# Altium PCB 10515.0462_全联供主板_V1.0.PcbDoc (part 2 of 5)
Units mm, origin at the board's own origin, x right, y up, seen from the top; angles counter-clockwise.
Board outline 141 x 198 mm, 2 copper layers (Top Layer, Bottom Layer); 179 components, 149 nets, 591 pads, 450 vias.
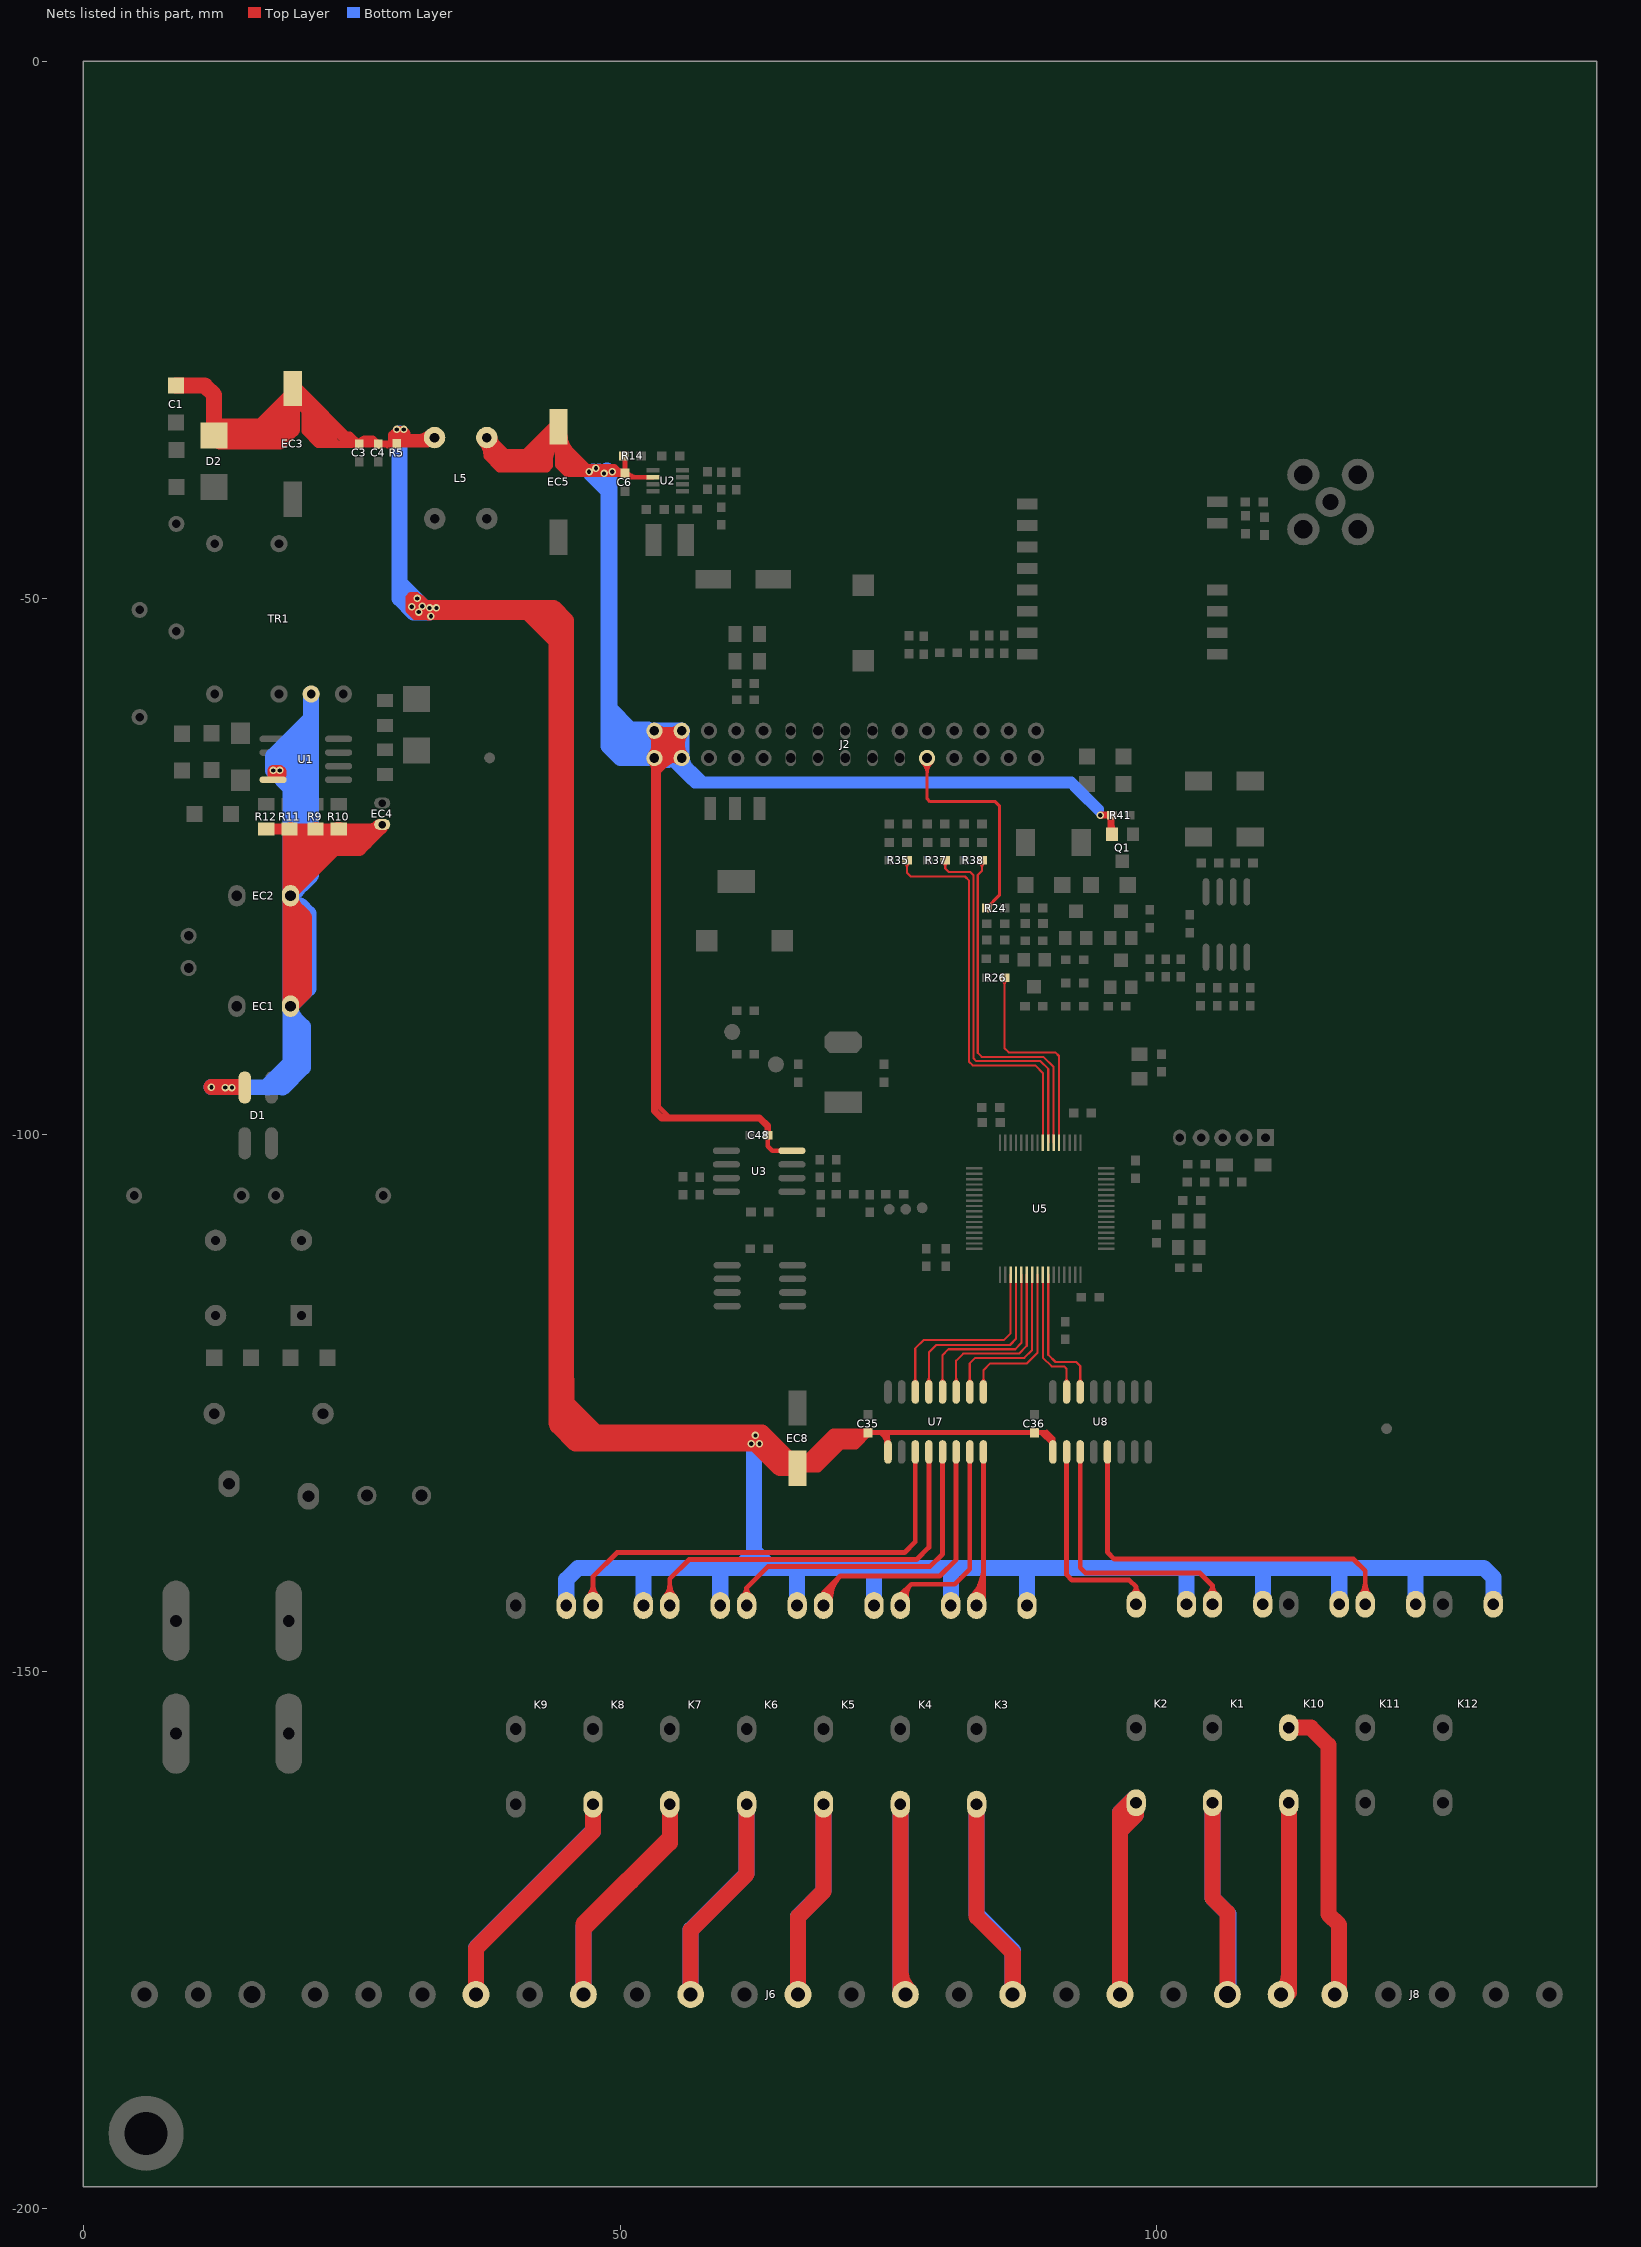
[diagram p2: the nets of this part, all layers, seen from the top]

## Via types
v1: diameter 0.7, hole 0.4, Top Layer to Bottom Layer, tented both sides, 450 vias

## Nets (pads, with @x,y where several pads share a name; then routed paths per layer and width w, separated by ;. In a path a pad name is that pad's centre, name@x,y a point inside that pad or via, vN(x,y) a via of type N, cw(c..) or ccw(c..) an arc to the next point about the centre after c; other vN are vias at no path point) (continued)
+24V: C6.1 C48.2 EC5.1 J2.1 J2.2 J2.3 J2.4 L5.4 Q1.2 R14.1 R41.2 U2.2 U3.8 | length 555.3
  Top Layer w0.45: R14.1@50.251,-36.893 cw(c49.76,-37.385) 50.455,-37.385 ; C6.1@50.327,-38.224 ccw(c50.017,-37.915) 50.455,-37.915 ccw(c50.893,-37.915) C6.1@50.583,-38.224 ; R14.1@50.455,-36.779 C6.1@50.455,-38.391 50.819,-38.755 U2.2@53.079,-38.755 ; C6.1@50.583,-38.301 ccw(c51.681,-37.203) 51.681,-38.755 ; J2.1@52.981,-65.398 cw(c52.551,-66.348) 53.594,-66.348 ; J2.1@53.166,-64.988 cw(c52.866,-65.651) 53.594,-65.651 ; J2.1@53.594,-65.301 53.594,-66.294 ; 54.095,-65.678 cw(c55.742,-67.325) J2.3@55.742,-64.995 ; 54.425,-65.347 cw(c54.925,-65.848) J2.3@55.39,-65.314 ; 54.61,-98.425 53.594,-97.409 53.594,-66.294 ; 54.766,-65.006 cw(c55.243,-65.483) J2.3@55.685,-64.974 ; 54.863,-64.91 cw(c55.742,-65.788) J2.3@55.742,-64.545 ; 54.864,-64.908 53.594,-66.178 53.594,-66.294 ; C48.2@63.634,-100.166 cw(c63.345,-100.455) 63.754,-100.455 ; 63.754,-100.496 cw(c64.221,-100.496) C48.2@63.891,-100.166 ; C48.2@63.754,-100.203 63.754,-101.07 64.18,-101.496 U3.8@66.011,-101.496
  Top Layer w0.65: L5.4@37.115,-35.529 cw(c35.962,-36.682) 37.592,-36.682 cw(c39.222,-36.682) L5.4@38.069,-35.529 ; L5.4@37.356,-35.684 cw(c36.887,-36.94) 38.227,-36.94 ; L5.4@37.583,-35.075 cw(c37.237,-36.003) 38.227,-36.003 ; L5.4@37.592,-35.727 cw(c37.592,-38.276) 39.395,-36.474 ; 38.227,-36.195 38.989,-36.957 41.021,-36.957 ; L5.4@38.256,-35.172 ccw(c39.958,-35.48) 38.735,-36.703 ; L5.4@38.267,-35.052 ccw(c38.977,-35.052) 38.475,-35.554 ; 41.656,-37.592 43.434,-35.814 43.434,-35.687 ; 41.656,-36.957 41.656,-36.656 EC5.1@44.276,-34.036 ; 41.783,-36.957 EC5.1@43.434,-35.306 ; 41.878,-36.354 cw(c44.276,-38.753) EC5.1@44.276,-35.361 ; 41.903,-35.694 cw(c44.276,-38.067) EC5.1@44.276,-34.711 ; 42.014,-36.298 cw(c44.276,-38.56) EC5.1@44.276,-35.361 ; 42.291,-36.957 41.021,-36.957 ; 42.745,-35.995 cw(c44.276,-37.527) EC5.1@44.276,-35.361 ; 42.987,-35.245 cw(c44.276,-36.534) EC5.1@44.276,-34.711 ; 43.013,-34.584 cw(c44.276,-35.848) EC5.1@44.276,-34.061 ; 43.124,-35.188 cw(c44.276,-36.341) EC5.1@44.276,-34.711 ; 43.284,-35.964 ccw(c42.155,-34.836) EC5.1@43.751,-34.836 ; 43.434,-37.236 cw(c45.7,-37.236) EC5.1@44.544,-35.288 ; 43.434,-37.084 42.545,-37.973 ; 43.434,-36.449 42.291,-37.592 38.989,-37.592 38.227,-36.83 38.227,-35.687 L5.4@37.592,-35.052 ; 43.434,-36.095 cw(c45.023,-36.095) EC5.1@44.212,-34.728 ; 43.502,-35.746 ccw(c42.847,-35.091) EC5.1@43.759,-34.928 ; EC5.1@43.561,-34.036 41.148,-36.449 39.37,-36.449 37.973,-35.052 L5.4@37.592,-35.052 ; EC5.1@44.276,-34.972 EC5.1@44.276,-34.036 ; EC5.1@44.647,-35.207 ccw(c45.543,-36.103) 44.276,-36.103 ccw(c43.009,-36.103) 43.905,-35.207 cw(c41.975,-37.137) 44.704,-37.137 ; EC5.1@44.801,-34.836 ccw(c46.783,-34.836) 45.382,-36.238 ; 46.137,-37.846 cw(c46.137,-39.207) v1@47.099,-38.245 ; 46.554,-38.391 ccw(c46.554,-36.722) v1@47.734,-37.902 ; 46.661,-38.391 ccw(c46.661,-37.771) v1@47.099,-38.209 ; 46.895,-37.751 cw(c46.418,-38.227) v1@47.092,-38.227 ; v1@47.135,-38.245 cw(c48.097,-39.207) 48.097,-37.846 ; v1@47.135,-38.209 ccw(c47.573,-37.771) 47.573,-38.391 ; v1@47.138,-38.241 cw(c47.752,-38.667) v1(47.752,-37.92) 47.064,-37.92 EC5.1@44.704,-35.56 ; 47.138,-37.846 cw(c47.138,-39.766) v1@48.496,-38.408 ; v1@47.775,-37.91 ccw(c48.514,-37.583) v1(48.514,-38.391) ; 48.296,-37.846 cw(c48.296,-39.207) v1@49.258,-38.245 ; v1@48.536,-38.403 cw(c49.493,-38.947) 49.493,-37.846 ; v1@48.82,-38.391 ccw(c48.82,-37.771) v1@49.258,-38.209 ; v1@49.294,-38.209 ccw(c49.732,-37.771) 49.732,-38.391 ; 49.721,-38.074 ccw(c50.256,-37.538) C6.1@50.436,-38.274 ; 50.038,-38.391 49.493,-37.846 ; C6.1@50.455,-38.391 v1(48.514,-38.391) ; J2.1@52.893,-65.217 cw(c52.147,-65.963) 53.202,-65.963 cw(c54.257,-65.963) 53.511,-65.217 cw(c54.257,-65.963) 54.257,-64.908 cw(c54.257,-63.853) 53.511,-64.599 cw(c54.257,-63.853) 53.202,-63.853 cw(c52.147,-63.853) J2.1@52.893,-64.599 ; J2.2@52.893,-62.677 cw(c52.147,-63.423) 53.202,-63.423 cw(c54.257,-63.423) 53.511,-62.677 cw(c54.284,-63.451) 54.284,-62.357 ; J2.1@52.99,-64.526 ccw(c52.42,-63.5) 53.594,-63.5 ; J2.1@53.021,-64.796 cw(c54.442,-65.683) 54.442,-64.008 ; J2.2@53.048,-62.777 cw(c52.752,-63.566) 53.594,-63.566 ; J2.2@53.05,-62.518 ccw(c54.185,-61.396) 54.185,-62.992 ; J2.1@53.089,-65.089 ccw(c53.547,-64.355) 54.159,-64.967 ; J2.2@53.213,-62.357 55.73,-62.357 J2.4@55.742,-62.368 ; J2.1@53.433,-64.538 ccw(c53.992,-63.644) 54.737,-64.389 ; J2.2@53.511,-62.059 ccw(c54.229,-61.341) 54.229,-62.357 ; J2.2@53.513,-62.061 ccw(c55.742,-59.857) J2.4@55.742,-62.992 ; J2.1@53.572,-65.14 cw(c55.615,-66.416) 55.615,-64.008 53.594,-64.008 ; J2.1@53.594,-65.532 54.737,-64.389 ; J2.1@53.594,-65.301 53.594,-64.008 ; J2.1@53.594,-65.101 cw(c54.737,-65.662) 54.737,-64.389 ; 54.638,-64.008 cw(c54.638,-65.451) J2.3@55.933,-64.814 ; 54.659,-62.357 cw(c54.659,-63.451) 55.433,-62.677 cw(c54.687,-63.423) 55.742,-63.423 cw(c56.797,-63.423) J2.4@56.051,-62.677 ; 54.714,-62.357 ccw(c54.714,-61.341) J2.4@55.433,-62.059 ; 55,-62.992 ccw(c55,-61.903) J2.4@55.922,-62.482 ; J2.3@55.305,-64.93 ccw(c54.737,-64.958) 54.737,-64.389 ; J2.3@55.35,-65.101 ccw(c53.594,-65.964) 53.594,-64.008 ; J2.4@55.372,-62.136 cw(c53.826,-61.167) 53.826,-62.992 J2.4@55.742,-62.992 ; J2.3@55.433,-65.217 ccw(c54.687,-65.963) 54.687,-64.908 ccw(c54.687,-63.853) 55.433,-64.599 ccw(c54.687,-63.853) 55.742,-63.853 ccw(c56.797,-63.853) J2.3@56.051,-64.599 ; J2.3@55.742,-64.389 54.737,-64.389 ; 55.742,-63.5 53.594,-63.5 ; C48.2@63.762,-100.164 63.762,-99.195 62.992,-98.425 54.61,-98.425 53.848,-98.425 53.202,-97.779 J2.1@53.202,-64.908 ; v1(94.742,-70.231) R41.2@95.821,-70.231 ; 95.758,-71.152 ccw(c96.633,-71.152) Q1.2@96.014,-71.771 ; R41.2@95.758,-70.231 95.758,-71.927 Q1.2@95.84,-72.009 ; L5.4@37.592,-35.052 37.592,-36.83 38.735,-37.973 42.545,-37.973 ; 41.021,-36.957 41.275,-36.957 44.196,-34.036 EC5.1@44.276,-34.036 ; 42.545,-37.973 43.18,-37.973 43.434,-37.719 43.434,-35.687 ; 43.434,-35.687 43.434,-34.878 EC5.1@44.276,-34.036 ; EC5.1@44.276,-35.361 ccw(c44.276,-36.3) 43.612,-35.636 cw(c44.276,-36.3) EC5.1@44.276,-35.361 ; EC5.1@44.276,-34.036 44.276,-35.132 EC5.1@44.704,-35.56 ; EC5.1@44.276,-34.036 44.276,-37.672 44.995,-38.391 v1(48.514,-38.391) ; EC5.1@44.704,-35.56 44.704,-37.338 45.212,-37.846 49.493,-37.846 ; J2.1@53.202,-64.908 53.721,-64.389 54.737,-64.389 ; J2.1@53.202,-64.908 J2.3@55.742,-64.908 J2.4@55.742,-62.368 ; J2.1@53.202,-64.908 J2.2@53.202,-62.368 53.594,-62.761 53.594,-63.5 ; 53.594,-64.008 cw(c53.128,-64.008) 53.166,-64.473 ccw(c53.128,-64.008) 53.594,-64.008 ; 53.594,-64.008 53.594,-63.5 ; J2.4@55.742,-62.992 J2.4@55.742,-62.368
  Top Layer w0.8: EC5.1@43.958,-35.154 cw(c43.19,-35.922) 44.276,-35.922 cw(c45.362,-35.922) EC5.1@44.594,-35.154 ; EC5.1@44.276,-34.036 44.276,-36.148 45.974,-37.846
  Bottom Layer w0.65: v1@47.117,-38.202 ccw(c47.117,-37.351) v1@47.719,-37.953 ; v1@47.135,-38.209 ccw(c47.573,-37.771) 47.573,-38.391 ; v1@47.775,-37.91 ccw(c48.514,-37.583) v1(48.514,-38.391) ; v1@48.491,-38.401 ccw(c47.752,-38.728) v1(47.752,-37.92) ; v1@48.496,-38.408 cw(c47.227,-39.678) 49.022,-39.678 ; v1@48.515,-38.416 cw(c48.566,-39.355) 49.231,-38.69 ; v1@48.715,-38.174 ccw(c49.007,-37.882) v1@49.261,-38.207 ; 49.022,-38.901 cw(c49.95,-38.901) v1@49.294,-38.245 ; 50.893,-61.849 cw(c50.893,-64.677) 52.893,-62.677 ccw(c52.147,-63.423) 52.147,-62.368 ccw(c52.147,-61.313) 52.893,-62.059 cw(c50.948,-60.115) 50.948,-62.865 ; 52.462,-61.849 cw(c52.462,-63.108) J2.2@53.353,-62.218 ; 52.517,-62.865 ccw(c52.517,-61.684) J2.2@53.353,-62.519 ; J2.2@52.682,-61.849 49.784,-61.849 49.022,-61.087 49.022,-38.481 48.461,-37.92 v1(47.752,-37.92) ; J2.1@52.893,-64.599 ccw(c52.147,-63.853) 53.202,-63.853 ccw(c54.257,-63.853) J2.1@53.511,-64.599 ; J2.1@53.202,-64.908 53.202,-63.489 52.578,-62.865 49.403,-62.865 48.514,-61.976 48.514,-61.468 ; J2.2@53.202,-62.368 49.414,-62.368 48.514,-61.468 ; 54.483,-65.024 55.742,-66.283 ; J2.3@55.742,-65.345 cw(c55.742,-66.4) 56.488,-65.654 cw(c57.234,-64.908) J2.3@56.179,-64.908 ; 55.88,-65.659 57.15,-66.929 ; J2.3@56.179,-64.925 ccw(c58.453,-65.013) 56.844,-66.623 ; 91.186,-67.437 89.871,-67.437 89.363,-66.929 ; v1(47.752,-37.92) 47.281,-38.391 v1(48.514,-38.391) ; 48.514,-61.468 v1(48.514,-38.391) ; 55.742,-66.283 56.388,-66.929 ; 55.742,-66.283 J2.3@55.742,-64.908 57.762,-66.929 ; 55.742,-65.963 cw(c56.797,-65.963) 56.051,-65.217 ccw(c56.797,-65.963) 55.742,-65.963 ; 55.742,-65.963 ccw(c54.687,-65.963) 55.433,-65.217 cw(c54.687,-65.963) 55.742,-65.963 ; 56.388,-66.929 57.15,-66.929 ; 56.388,-66.929 56.896,-67.437 58.42,-67.437 ; 57.15,-66.929 57.912,-66.929 ; 57.762,-66.929 57.912,-66.929 ; 57.762,-66.929 89.363,-66.929 ; 57.912,-66.929 58.42,-67.437 ; 58.42,-67.437 91.948,-67.437 ; 89.363,-66.929 92.075,-66.929 92.583,-67.437 ; 91.948,-67.437 92.583,-67.437 ; 91.948,-67.437 92.329,-67.818 v1(94.742,-70.231) 94.742,-69.596 92.583,-67.437
  Bottom Layer w1.5: 47.469,-38.202 ccw(c47.924,-37.748) 47.924,-38.391 ; 47.58,-38.391 ccw(c47.58,-37.748) 48.035,-38.202 ; 48.797,-38.108 cw(c48.253,-38.652) 49.022,-38.652 ; 48.921,-61.875 48.921,-63.78 49.593,-64.453 ; 49.022,-61.976 49.022,-60.325 ; 49.022,-40.132 47.281,-38.391 48.932,-38.391 49.022,-38.481 49.022,-60.325 ; 49.059,-63.489 53.202,-63.489 ; 49.403,-62.865 52.313,-62.865 ccw(c52.313,-61.846) J2.2@53.192,-62.362 ; 49.746,-63.489 cw(c49.746,-68.364) J2.1@53.193,-64.917 ; 50.468,-63.489 ccw(c50.468,-59.634) 53.193,-62.36 cw(c51.974,-61.141) 51.974,-62.865 ; 50.927,-62.23 49.022,-60.325 ; 52.006,-64.453 49.593,-64.453 ; J2.1@53.195,-64.899 ccw(c51.354,-62.369) 54.483,-62.369 ccw(c57.644,-62.369) J2.3@55.749,-64.899 ; J2.2@53.194,-62.378 cw(c50.963,-65.1) 54.483,-65.1 ; J2.2@53.202,-62.495 J2.1@53.202,-64.908 ; J2.2@53.202,-62.368 54.483,-62.368 ; 54.483,-65.09 cw(c58.02,-65.09) J2.4@55.75,-62.378 ; 54.483,-64.781 54.483,-62.368 ; 49.593,-64.453 50.049,-64.908 J2.1@53.202,-64.908 ; J2.1@53.193,-64.917 ccw(c52.072,-66.038) 52.072,-64.453 cw(c52.072,-66.038) J2.1@53.193,-64.917 ; J2.1@53.202,-64.908 J2.3@55.742,-64.908 J2.4@55.742,-62.368 54.483,-62.368
  other v1: 47.117,-38.227 49.276,-38.227
+24V1: C1.2 C3.1 C4.1 C35.2 C36.2 D2.1 EC3.1 EC8.1 K1.3 K2.3 K3.3 K4.3 K5.3 K6.3 K7.3 K8.3 K9.3 K10.3 K11.3 K12.3 L5.1 R5.2 U7.9 U8.9 | length 607.5
  Top Layer w0.45: v1(30.607,-50.8) 31.623,-51.816 33.401,-51.816 ; v1@30.812,-51.005 ccw(c31.242,-50.575) v1@31.242,-51.183 ; 31.115,-49.657 30.48,-49.657 30.226,-49.911 30.226,-51.181 30.861,-51.816 33.401,-51.816 ; v1@31.367,-51.308 ccw(c31.975,-51.308) 31.545,-51.738 ; 44.704,-52.959 43.561,-51.816 33.401,-51.816 ; C35.2@73.109,-127.748 74.303,-127.748 ; C35.2@73.237,-127.876 cw(c73.547,-128.186) 73.547,-127.748 cw(c73.547,-127.31) C35.2@73.237,-127.62 ; 74.473,-127.917 cw(c73.588,-128.801) U7.9@74.839,-128.801 ; U7.9@74.964,-129.551 74.964,-128.408 74.303,-127.748 ; U7.9@74.964,-129.032 74.93,-128.998 74.93,-127.748 ; C36.2@88.475,-127.876 ccw(c88.165,-128.186) 88.165,-127.748 ccw(c88.165,-127.31) C36.2@88.475,-127.62 ; 89.75,-127.7 cw(c88.649,-128.801) U8.9@90.206,-128.801 ; U8.9@90.32,-128.801 89.267,-127.748 89.027,-127.748 ; U8.9@90.331,-129.678 U8.9@90.331,-129.551 90.331,-128.281 89.797,-127.748 89.027,-127.748 ; 74.303,-127.748 74.93,-127.748 ; 74.93,-127.748 C36.2@88.603,-127.748 89.027,-127.748 ; C36.2@88.734,-127.873 cw(c89.027,-128.153) 89.027,-127.748 ; C36.2@88.734,-127.873 cw(c89.027,-128.153) 89.027,-127.748 ; C36.2@88.734,-127.873 cw(c89.027,-128.153) 89.027,-127.748 ; C36.2@88.734,-127.623 ccw(c89.027,-127.343) 89.027,-127.748 ; C36.2@88.734,-127.623 ccw(c89.027,-127.343) 89.027,-127.748 ; C36.2@88.734,-127.623 ccw(c89.027,-127.343) 89.027,-127.748 ; 89.041,-127.748 cw(c89.041,-127.31) 88.731,-127.62 ccw(c89.041,-127.31) 89.041,-127.748 ; 89.041,-127.748 ccw(c89.041,-128.186) 88.731,-127.876 cw(c89.041,-128.186) 89.041,-127.748
  Top Layer w0.65: 14.097,-33.655 16.336,-33.655 EC3.1@19.511,-30.48 19.511,-31.449 23.743,-35.681 24.13,-35.681 ; EC3.1@19.939,-30.988 24.13,-35.179 25.221,-35.179 ; EC3.1@19.939,-30.226 25.375,-35.662 25.458,-35.662 C3.1@25.581,-35.539 ; 20.637,-32.575 20.637,-33.401 ; 21.272,-34.036 20.637,-34.036 ; 21.971,-33.147 23.622,-34.798 24.84,-34.798 C3.1@25.704,-35.662 ; 22.225,-35.681 22.225,-35.623 20.637,-34.036 ; 22.918,-35.681 20.637,-33.401 ; 24.434,-35.179 cw(c24.434,-36.893) 25.646,-35.681 24.13,-35.681 ; C3.1@25.704,-35.542 ccw(c25.704,-35.006) C3.1@26.083,-35.385 ; C3.1@25.762,-35.681 cw(c26.974,-36.893) 26.974,-35.179 ; C3.1@25.785,-35.632 cw(c26.289,-35.686) 26.289,-35.179 ; C4.1@27.422,-35.678 ccw(c26.289,-36.714) 26.289,-35.179 ; C4.1@27.482,-35.662 26.999,-35.179 26.289,-35.179 ; 28.359,-35.75 cw(c28.824,-36.215) R5.2@29.167,-35.655 ; 28.718,-34.782 cw(c29.845,-35.908) v1@29.845,-34.315 ; 28.893,-34.607 cw(c29.644,-35.359) v1@29.84,-34.315 ; R5.2@29.152,-35.528 ccw(c28.094,-34.469) v1@29.591,-34.469 ; v1@29.192,-34.308 cw(c28.23,-35.27) R5.2@29.591,-35.27 ; R5.2@29.21,-35.767 cw(c31.167,-35.767) v1@29.862,-34.309 ; R5.2@29.21,-35.504 ccw(c29.21,-34.449) 29.956,-35.195 ; v1@29.215,-34.315 cw(c29.411,-35.359) 30.162,-34.607 ; R5.2@29.233,-35.507 cw(c29.441,-34.798) 28.702,-34.798 ; 29.591,-34.964 cw(c30.519,-34.964) v1@29.863,-34.308 ; R5.2@29.616,-35.662 ccw(c29.616,-31.951) 32.24,-34.575 cw(c31.087,-33.422) 31.087,-35.052 cw(c31.087,-36.682) L5.1@32.24,-35.529 ; v1@29.827,-34.308 cw(c29.171,-34.964) 30.099,-34.964 ; 31.185,-35.662 ccw(c31.185,-33.52) L5.1@32.699,-35.034 ; 20.637,-34.036 20.637,-34.48 21.838,-35.681 24.13,-35.681 ; 20.637,-34.036 20.637,-33.401 ; C3.1@25.704,-35.662 28.448,-35.662 ; C3.1@25.704,-35.662 25.806,-35.662 26.289,-35.179 ; 28.448,-35.662 28.702,-35.408 28.702,-34.798 ; 28.448,-35.662 32.107,-35.662 L5.1@32.717,-35.052 30.099,-35.052 ; 28.702,-34.798 v1(29.21,-34.29) ; R5.2@29.21,-35.623 29.591,-35.242 29.591,-34.29 v1(29.21,-34.29) ; R5.2@29.21,-35.623 v1(29.21,-34.29) ; R5.2@29.21,-35.623 29.527,-35.623 30.099,-35.052 ; v1(29.21,-34.29) v1(29.845,-34.29) 30.099,-34.544 30.099,-35.052
  Top Layer w0.8: 44.196,-123.63 44.196,-127.127 45.339,-128.27 ; 45.001,-126.916 45.833,-127.748 ; 72.263,-128.143 cw(c73.109,-128.989) C35.2@73.109,-127.793 ; 72.433,-127.973 cw(c72.985,-128.526) C35.2@73.108,-127.754 ; EC8.1@66.541,-131.059 69.852,-127.748 72.658,-127.748 ; EC8.1@66.541,-131.059 67.442,-131.059 70.231,-128.27 72.136,-128.27 72.658,-127.748 ; EC8.1@66.541,-131.059 68.458,-131.059 70.612,-128.905 71.952,-128.905 C35.2@73.109,-127.748 72.658,-127.748
  Top Layer w1.5: C1.2@8.644,-30.212 11.311,-30.212 12.175,-31.076 D2.1@12.175,-34.861 ; D2.1@12.563,-35.179 cw(c15.295,-37.911) 15.295,-34.047 ; EC3.1@19.511,-31.496 16.96,-34.047 16.383,-34.047 ; 30.832,-50.321 ccw(c32.296,-48.857) v1@32.296,-50.927 ; v1@31.135,-50.312 31.75,-50.927 34.163,-50.927 41.402,-50.927 ; 32.074,-51.251 ccw(c32.258,-51.066) 32.258,-51.327 ; 44.196,-127.127 45.847,-128.778 62.611,-128.778 64.892,-131.059 EC8.1@66.541,-131.059 63.23,-127.748 46.355,-127.748 45.001,-126.394 45.001,-125.984 ; 44.983,-122.816 44.983,-52.095 43.815,-50.927 42.291,-50.927 ; 44.983,-53.467 42.443,-50.927 42.291,-50.927 ; 45.001,-126.916 45.001,-125.984 ; 45.001,-122.825 45.001,-124.968 ; 45.085,-127.889 44.069,-126.873 44.069,-53.975 41.402,-51.308 41.402,-50.927 ; 47.781,-127.748 45.001,-124.968 ; D2.1@12.175,-34.861 12.988,-34.047 16.383,-34.047 ; D2.1@12.175,-34.861 12.747,-35.433 16.637,-35.433 ; 16.383,-34.047 18.023,-34.047 19.431,-32.639 ; 16.637,-35.433 19.431,-32.639 ; 16.637,-35.433 18.288,-35.433 19.431,-34.29 19.431,-32.639 ; 41.402,-50.927 42.291,-50.927 ; 45.001,-125.984 45.001,-124.968 ; 30.959,-51.025 cw(c31.196,-51.262) 31.196,-50.927 ccw(c31.196,-51.262) 30.959,-51.025
  Bottom Layer w1.5: 29.464,-48.641 30.67,-49.847 v1@31.75,-50.927 ; 29.464,-34.671 29.464,-50.038 ; 30.832,-50.321 ccw(c32.296,-48.857) v1@32.296,-50.927 ; 30.959,-51.025 cw(c31.196,-51.262) 31.196,-50.927 ; v1@31.288,-50.927 cw(c31.288,-51.262) v1@31.525,-51.025 ; 32.074,-51.251 ccw(c32.258,-51.066) 32.258,-51.327 30.753,-51.327 29.464,-50.038 ; v1@32.639,-50.927 30.353,-50.927 29.464,-50.038 ; K9.3@44.992,-143.865 44.992,-141.444 46.09,-140.346 62.484,-140.346 ; K8.3@52.177,-143.865 52.177,-140.547 ; K7.3@59.337,-143.865 59.337,-140.353 ; 61.087,-140.346 62.484,-138.949 62.484,-138.811 ; 62.484,-139.446 62.484,-128.397 v1@62.611,-128.27 ; 63.881,-140.346 63.881,-140.208 62.484,-138.811 ; K6.3@66.496,-143.865 66.496,-140.515 ; K5.3@73.656,-143.865 73.656,-140.384 ; K4.3@80.816,-143.865 80.816,-140.483 ; K3.3@87.918,-143.865 87.918,-140.6 ; K2.3@102.777,-143.738 102.777,-140.6 ; K1.3@109.889,-143.738 109.889,-140.346 ; K10.3@117.008,-143.738 117.008,-140.353 ; K11.3@124.12,-143.738 124.12,-140.607 123.859,-140.346 ; K12.3@131.359,-143.738 131.359,-141.242 130.463,-140.346 123.859,-140.346 ; 62.484,-140.346 109.889,-140.346 ; 62.484,-140.346 62.484,-138.811 ; 109.889,-140.346 123.859,-140.346
  other v1: 62.23,-128.778 62.992,-128.778 62.611,-128.016 32.385,-51.689 31.242,-51.308 32.258,-50.927 32.893,-50.927 31.579,-50.756 31.115,-50.038
AD1: R35.1 U5.24 | length 39.1
  Top Layer w0.2: R35.1@76.518,-74.65 cw(c75.995,-75.173) 76.735,-75.173 cw(c77.475,-75.173) R35.1@76.952,-74.65 ; R35.1@76.735,-74.433 76.735,-75.584 77.089,-75.938 82.135,-75.938 82.524,-76.327 82.524,-93.218 82.848,-93.542 88.689,-93.542 89.393,-94.245 U5.24@89.393,-100.734
AD2: R38.1 U5.22 | length 33.9
  Top Layer w0.2: R38.1@83.503,-74.65 cw(c82.98,-75.173) 83.72,-75.173 cw(c84.46,-75.173) R38.1@83.937,-74.65 ; R38.1@83.72,-74.433 83.72,-75.411 83.324,-75.807 83.324,-92.329 83.324,-92.373 83.693,-92.742 89.44,-92.742 90.393,-93.695 U5.22@90.393,-100.734
AD3: R37.1 U5.23 | length 36.1
  Top Layer w0.2: R37.1@80.081,-74.65 cw(c79.558,-75.173) 80.298,-75.173 cw(c81.038,-75.173) R37.1@80.515,-74.65 ; R37.1@80.298,-74.433 80.298,-75.191 80.645,-75.538 82.65,-75.538 82.924,-75.812 82.924,-92.837 82.924,-92.881 83.185,-93.142 89.17,-93.142 89.893,-93.864 U5.23@89.893,-100.734
AD4: R26.1 U5.21 | length 21.2
  Top Layer w0.2: R26.1@85.606,-85.587 cw(c85.083,-86.11) 85.822,-86.11 cw(c86.562,-86.11) R26.1@86.039,-85.587 ; R26.1@85.822,-85.37 85.822,-89.356 85.822,-91.931 86.22,-92.329 90.551,-92.329 90.893,-92.671 U5.21@90.893,-100.734
AGND: D1.4 EC1.2 EC2.2 EC4.2 R9.1 R10.1 R11.1 R12.1 TR1.4 U1.7 | length 211.4
  Top Layer w0.45: U1.7@17.68,-66.936 U1.7@17.68,-66.675
  Top Layer w1: R12.1@17.052,-71.512 R11.1@19.211,-71.512 ; U1.7@17.68,-66.675 v1(17.68,-66.058) v1(18.306,-66.058) 18.415,-66.167 18.415,-66.421 ; R11.1@19.298,-71.599 R11.1@19.211,-71.512 ; 26.6,-71.512 ccw(c26.6,-70.102) EC4.2@27.597,-71.099 ; EC4.2@27.847,-71.099 27.434,-71.512 R10.1@23.783,-71.512 R9.1@21.624,-71.512 R11.1@19.211,-71.512
  Top Layer w1.5: v1(11.939,-95.57) D1.4@14.709,-95.57 ; EC2.2@19.298,-78.486 20.574,-79.762 20.574,-86.746 EC1.2@19.298,-88.022 EC2.2@19.298,-77.735 ; R11.1@19.298,-71.599 EC2.2@19.298,-77.735 ; EC2.2@19.348,-77.935 ccw(c20.798,-77.935) 19.773,-78.961 ; 20.644,-72.714 26.232,-72.714 ; 20.828,-74.168 22.098,-74.168 20.32,-72.39 20.32,-76.327 ; 21.082,-72.714 ccw(c21.082,-68.973) R10.1@23.727,-71.618 ; R9.1@21.68,-71.618 ccw(c24.325,-68.973) 24.325,-72.714 ; R10.1@23.831,-71.61 ccw(c26.232,-69.551) 26.232,-72.714 ; EC4.2@27.629,-71.317 26.232,-72.714 ; EC2.2@19.298,-77.735 19.298,-77.349 20.32,-76.327 ; 20.32,-76.327 23.368,-73.279 25.667,-73.279 26.232,-72.714
  Bottom Layer w1.5: v1(11.939,-95.57) 18.573,-95.6 ; 17.145,-95.6 17.145,-95.498 19.298,-93.345 ; EC2.2@19.263,-77.971 cw(c17.016,-80.217) 20.193,-80.217 ; EC2.2@19.263,-77.5 ccw(c17.135,-75.373) 20.144,-75.373 ; EC2.2@19.292,-77.486 ccw(c19.183,-76.532) 20.144,-76.532 ; EC1.2@19.298,-88.773 20.447,-89.922 20.447,-93.726 18.573,-95.6 ; EC1.2@19.348,-88.222 ccw(c20.798,-88.222) 19.773,-89.248 ; EC2.2@19.347,-77.542 cw(c20.502,-77.696) 20.502,-76.532 20.144,-76.532 ; 19.441,-66.058 20.144,-65.356 ; 20.193,-85.719 20.193,-78.631 20.955,-79.393 20.955,-86.365 EC1.2@19.298,-88.022 ; 21.226,-62.512 v1(17.68,-66.058) ; 21.226,-61.197 17.68,-64.743 v1(17.68,-66.058) ; TR1.4@21.226,-58.939 21.226,-64.273 ; v1(17.68,-66.058) 19.298,-66.058 EC2.2@19.298,-77.735 ; v1(17.68,-66.058) 19.298,-67.676 EC2.2@19.298,-77.735 ; 18.573,-95.6 19.298,-94.875 19.298,-93.345 ; 19.298,-93.345 EC1.2@19.298,-88.022 ; EC1.2@19.298,-88.022 EC2.2@19.298,-77.735 ; EC2.2@19.298,-77.735 21.226,-75.807 21.226,-64.273 ; 20.144,-76.532 20.144,-65.356 ; 20.144,-65.356 21.226,-64.273
  other v1: 13.208,-95.6 13.843,-95.6
CHANNEL1: J6.1 K1.1 | length 37.6
  Top Layer w1.5: K1.1@105.189,-161.925 105.189,-171.079 106.582,-172.472 J6.1@106.582,-180.097
  Bottom Layer w1.5: K1.1@105.189,-161.925 105.189,-171.102 106.68,-172.593 106.68,-179.999 J6.1@106.582,-180.097
CHANNEL2: J6.3 K2.1 | length 49.4
  Top Layer w1.5: J6.3@96.582,-180.097 96.582,-163.133 K2.1@97.917,-161.798 ; 96.582,-164.846 98.077,-163.351 K2.1@98.077,-161.925 ; 96.582,-163.733 K2.1@98.077,-162.238 ; 97.223,-163.092 cw(c98.077,-163.945) K2.1@98.077,-162.738
  Bottom Layer w1.5: J6.3@96.582,-180.097 96.582,-163.133 K2.1@97.917,-161.798 ; 96.582,-163.733 K2.1@98.077,-162.238 ; 96.901,-164.465 98.077,-163.289 K2.1@98.077,-161.925
CHANNEL3: J6.5 K3.1 | length 38.4
  Top Layer w1.5: K3.1@83.218,-162.365 83.218,-172.857 86.582,-176.221 J6.5@86.582,-180.097
  Bottom Layer w1.5: K3.1@83.218,-162.179 83.218,-172.626 86.582,-175.99 J6.5@86.582,-180.097
CHANNEL4: J6.7 K4.1 | length 37.8
  Top Layer w1.5: J6.7@76.116,-179.631 K4.1@76.116,-162.306 ; 76.116,-177.765 ccw(c78.915,-177.765) J6.7@76.935,-179.744
  Bottom Layer w1.5: K4.1@76.116,-162.052 76.116,-179.631 J6.7@76.582,-180.097
CHANNEL5: J6.9 K5.1 | length 37.8
  Top Layer w1.5: J6.9@66.582,-180.097 66.582,-172.858 68.956,-170.484 K5.1@68.956,-162.179
  Bottom Layer w1.5: J6.9@66.582,-180.097 66.582,-172.813 68.961,-170.434 K5.1@68.961,-162.179 ; K5.1@68.956,-162.365 K5.1@68.961,-162.37
CHANNEL6: J6.11 K6.1 | length 40.2
  Top Layer w1.5: J6.11@56.582,-180.097 56.582,-174.095 61.796,-168.881 K6.1@61.796,-162.179
  Bottom Layer w1.5: J6.11@56.582,-180.097 56.582,-174.05 61.796,-168.836 K6.1@61.796,-162.179
CHANNEL7: J6.13 K7.1 | length 55
  Top Layer w1.5: J6.13@46.582,-180.097 46.582,-173.509 50.535,-169.556 51.054,-169.556 ; 46.582,-174.029 51.054,-169.556 ; 50.673,-169.445 54.637,-165.481 ; K7.1@54.637,-162.052 54.637,-165.481 ; 51.054,-169.556 54.637,-165.974 54.637,-165.481
  Bottom Layer w1.5: J6.13@46.582,-180.097 46.582,-173.763 54.637,-165.708 K7.1@54.637,-162.052
CHANNEL8: J6.15 K8.1 | length 45.1
  Top Layer w1.5: J6.15@36.582,-180.097 36.582,-175.807 47.477,-164.912 K8.1@47.477,-162.052
  Bottom Layer w1.5: J6.15@36.582,-180.097 36.582,-175.762 47.477,-164.867 K8.1@47.477,-162.052
CHANNEL_OUT1: K1.4 U8.11 | length 27.4
  Top Layer w0.45: U8.11@92.871,-129.678 92.871,-138.045 92.871,-140.331 93.379,-140.839 104.032,-140.839 105.189,-141.996 ; K1.4@104.771,-142.858 ccw(c104.092,-141.997) 105.189,-141.997 ; K1.4@105.189,-143.738 105.189,-141.996 ; K1.4@105.607,-142.858 cw(c106.286,-141.997) 105.189,-141.997
CHANNEL_OUT2: K2.4 U8.10 | length 21.5
  Top Layer w0.45: U8.10@91.601,-129.678 91.601,-138.695 91.601,-140.981 92.109,-141.489 97.443,-141.489 98.077,-142.123 ; K2.4@97.701,-142.827 ccw(c97.23,-142.123) 98.077,-142.123 ; K2.4@98.077,-143.738 98.077,-142.123 ; K2.4@98.453,-142.827 cw(c98.924,-142.123) 98.077,-142.123
CHANNEL_OUT3: K3.4 U7.16 | length 22.5
  Top Layer w0.45: K3.4@82.741,-143.038 ccw(c80.053,-140.35) 83.854,-140.35 ; K3.4@83.059,-143.356 ccw(c81.139,-141.436) 83.854,-141.436 ; K3.4@83.377,-143.674 ccw(c82.226,-142.523) 83.854,-142.523 ; 83.854,-140.943 83.854,-140.335 ; U7.16@83.854,-129.551 83.854,-140.335 ; K3.4@83.854,-143.229 K3.4@83.218,-143.865 K3.4@83.854,-143.229 ; K3.4@83.854,-143.229 83.854,-140.335
CHANNEL_OUT4: K4.4 U7.15 | length 22.1
  Top Layer w0.45: K4.4@76.116,-143.865 76.116,-142.878 77.123,-141.87 81.187,-141.87 82.584,-140.473 82.584,-138.187 U7.15@82.584,-129.551 ; K4.4@76.331,-143.449 cw(c77.335,-143.143) 76.593,-142.401 ; K4.4@76.761,-143.318 cw(c78.148,-142.895) 77.123,-141.87
CHANNEL_OUT5: K5.4 U7.14 | length 30.4
  Top Layer w0.45: K5.4@68.731,-143.53 cw(c70.045,-143.444) 69.114,-142.513 ; K5.4@68.956,-143.865 68.956,-142.671 70.519,-141.108 79.79,-141.108 81.314,-139.584 81.314,-137.298 U7.14@81.314,-129.551 ; K5.4@69.181,-143.5 cw(c71.363,-143.357) 69.816,-141.811 ; K5.4@69.63,-143.471 cw(c72.681,-143.271) 70.519,-141.109
CHANNEL_OUT6: K6.4 U7.13 | length 32.5
  Top Layer w0.45: K6.4@61.407,-142.964 ccw(c60.874,-142.211) 61.796,-142.211 ; K6.4@61.796,-143.865 61.796,-142.211 ; K6.4@62.186,-142.964 cw(c62.718,-142.211) 61.796,-142.211 ; U7.13@80.044,-129.551 80.044,-136.79 80.044,-139.076 78.901,-140.219 63.788,-140.219 61.796,-142.211
CHANNEL_OUT7: K7.4 U7.12 | length 39.3
  Top Layer w0.45: K7.4@54.159,-143.038 ccw(c53.007,-141.885) 54.637,-141.885 ccw(c56.266,-141.885) K7.4@55.114,-143.038 ; K7.4@54.637,-143.865 54.637,-141.37 56.437,-139.569 77.646,-139.569 78.774,-138.441 78.774,-136.155 U7.12@78.774,-129.551
CHANNEL_OUT8: K8.4 U7.11 | length 45
  Top Layer w0.45: K8.4@47,-143.038 ccw(c45.848,-141.885) 47.477,-141.885 ccw(c49.107,-141.885) K8.4@47.954,-143.038 ; K8.4@47.477,-143.865 47.477,-141.163 49.721,-138.919 76.518,-138.919 77.504,-137.933 77.504,-135.647 U7.11@77.504,-129.551
CHANNEL_RELAY1: U5.58 U8.6 | length 14.2
  Top Layer w0.2: U5.58@89.893,-113.034 89.893,-120.5 90.57,-121.177 92.497,-121.177 92.871,-121.55 U8.6@92.871,-123.963 ; U8.6@92.694,-123.037 ccw(c92.267,-122.61) 92.871,-122.61 ccw(c93.474,-122.61) U8.6@93.048,-123.037
CHANNEL_RELAY2: U5.57 U8.7 | length 13.5
  Top Layer w0.2: U5.57@89.393,-113.034 89.393,-120.762 90.208,-121.577 91.373,-121.577 91.601,-121.804 U8.7@91.601,-123.963 ; U8.7@91.424,-123.037 ccw(c90.997,-122.61) 91.601,-122.61 ccw(c92.204,-122.61) U8.7@91.778,-123.037
CHANNEL_RELAY3: U5.56 U7.1 | length 16
  Top Layer w0.2: U7.1@83.677,-123.037 ccw(c83.25,-122.61) 83.854,-122.61 ccw(c84.457,-122.61) U7.1@84.031,-123.037 ; U7.1@83.854,-123.963 83.854,-121.931 84.489,-121.296 87.918,-121.296 88.893,-120.321 U5.56@88.893,-113.034
CHANNEL_RELAY4: U5.55 U7.2 | length 17
  Top Layer w0.2: U7.2@82.407,-123.037 ccw(c81.98,-122.61) 82.584,-122.61 ccw(c83.187,-122.61) U7.2@82.761,-123.037 ; U7.2@82.584,-123.963 82.584,-121.296 83.092,-120.788 87.664,-120.788 88.393,-120.059 U5.55@88.393,-113.034
CHANNEL_RELAY5: U5.54 U7.3 | length 17.7
  Top Layer w0.2: U7.3@81.137,-123.037 ccw(c80.71,-122.61) 81.314,-122.61 ccw(c81.917,-122.61) U7.3@81.491,-123.037 ; U7.3@81.314,-123.963 81.314,-121.042 81.968,-120.388 87.175,-120.388 87.893,-119.67 U5.54@87.893,-113.034
CHANNEL_RELAY6: U5.53 U7.4 | length 18.6
  Top Layer w0.2: U7.4@79.867,-123.037 ccw(c79.44,-122.61) 80.044,-122.61 ccw(c80.647,-122.61) U7.4@80.221,-123.037 ; U7.4@80.044,-123.963 80.044,-120.534 80.59,-119.988 86.813,-119.988 87.393,-119.408 U5.53@87.393,-113.034
CHANNEL_RELAY7: U5.52 U7.5 | length 19.3
  Top Layer w0.2: U7.5@78.597,-123.037 ccw(c78.17,-122.61) 78.774,-122.61 ccw(c79.377,-122.61) U7.5@78.951,-123.037 ; U7.5@78.774,-123.963 78.774,-120.28 79.466,-119.588 86.324,-119.588 86.893,-119.019 U5.52@86.893,-113.034
CHANNEL_RELAY8: U5.51 U7.6 | length 19.9
  Top Layer w0.2: U7.6@77.327,-123.037 ccw(c76.9,-122.61) 77.504,-122.61 ccw(c78.107,-122.61) U7.6@77.681,-123.037 ; U7.6@77.504,-123.963 77.504,-119.899 78.266,-119.137 85.759,-119.137 86.393,-118.503 U5.51@86.393,-113.034
COOLOUT: K11.4 U8.13 | length 39.6
  Top Layer w0.45: U8.13@95.411,-129.678 95.411,-136.618 95.411,-138.904 96.046,-139.539 118.33,-139.539 119.42,-140.629 K11.4@119.42,-143.738 ; K11.4@118.943,-142.911 ccw(c117.79,-141.758) 119.42,-141.758 ccw(c121.049,-141.758) K11.4@119.897,-142.911
DEV_ON/OFFA: J8.5 K10.2 | length 28.1
  Top Layer w1.5: K10.2@112.308,-155.238 114.366,-155.238 115.985,-156.856 115.985,-172.604 116.994,-173.613 J8.5@116.994,-180.224
DEV_ON/OFFB: J8.6 K10.1 | length 19.6
  Top Layer w1.5: J8.6@111.64,-179.871 ccw(c110.029,-178.259) 112.308,-178.259 ; J8.6@112.308,-179.91 K10.1@112.308,-162.052
FEEDBACK_VOLTAGE: J2.21 R24.2 | length 24.1
  Top Layer w0.3: J2.21@78.169,-65.341 cw(c77.124,-66.386) 78.602,-66.386 cw(c80.079,-66.386) J2.21@79.035,-65.341 ; J2.21@78.602,-64.908 78.602,-68.696 78.867,-68.961 84.963,-68.961 85.344,-69.342 85.344,-77.706 R24.2@84.171,-78.878 ; R24.2@84.209,-78.622 ccw(c84.209,-78.095) 84.582,-78.468 ; R24.2@84.466,-78.878 cw(c85.177,-78.878) 84.674,-78.376